# Altium PCB EPS_V2.PcbDoc (part 4 of 4)
Units mm, origin at the board's own origin, x right, y up, seen from the top; angles counter-clockwise.
Board outline 95.89 x 90.17 mm, 6 copper layers (Top Layer, GND1, PWR, Signal, GND2, Bottom Layer), stack 1.42 mm thick; 407 components, 277 nets, 1440 pads, 305 vias.
Unrouted connection lines stored in the file: 313.
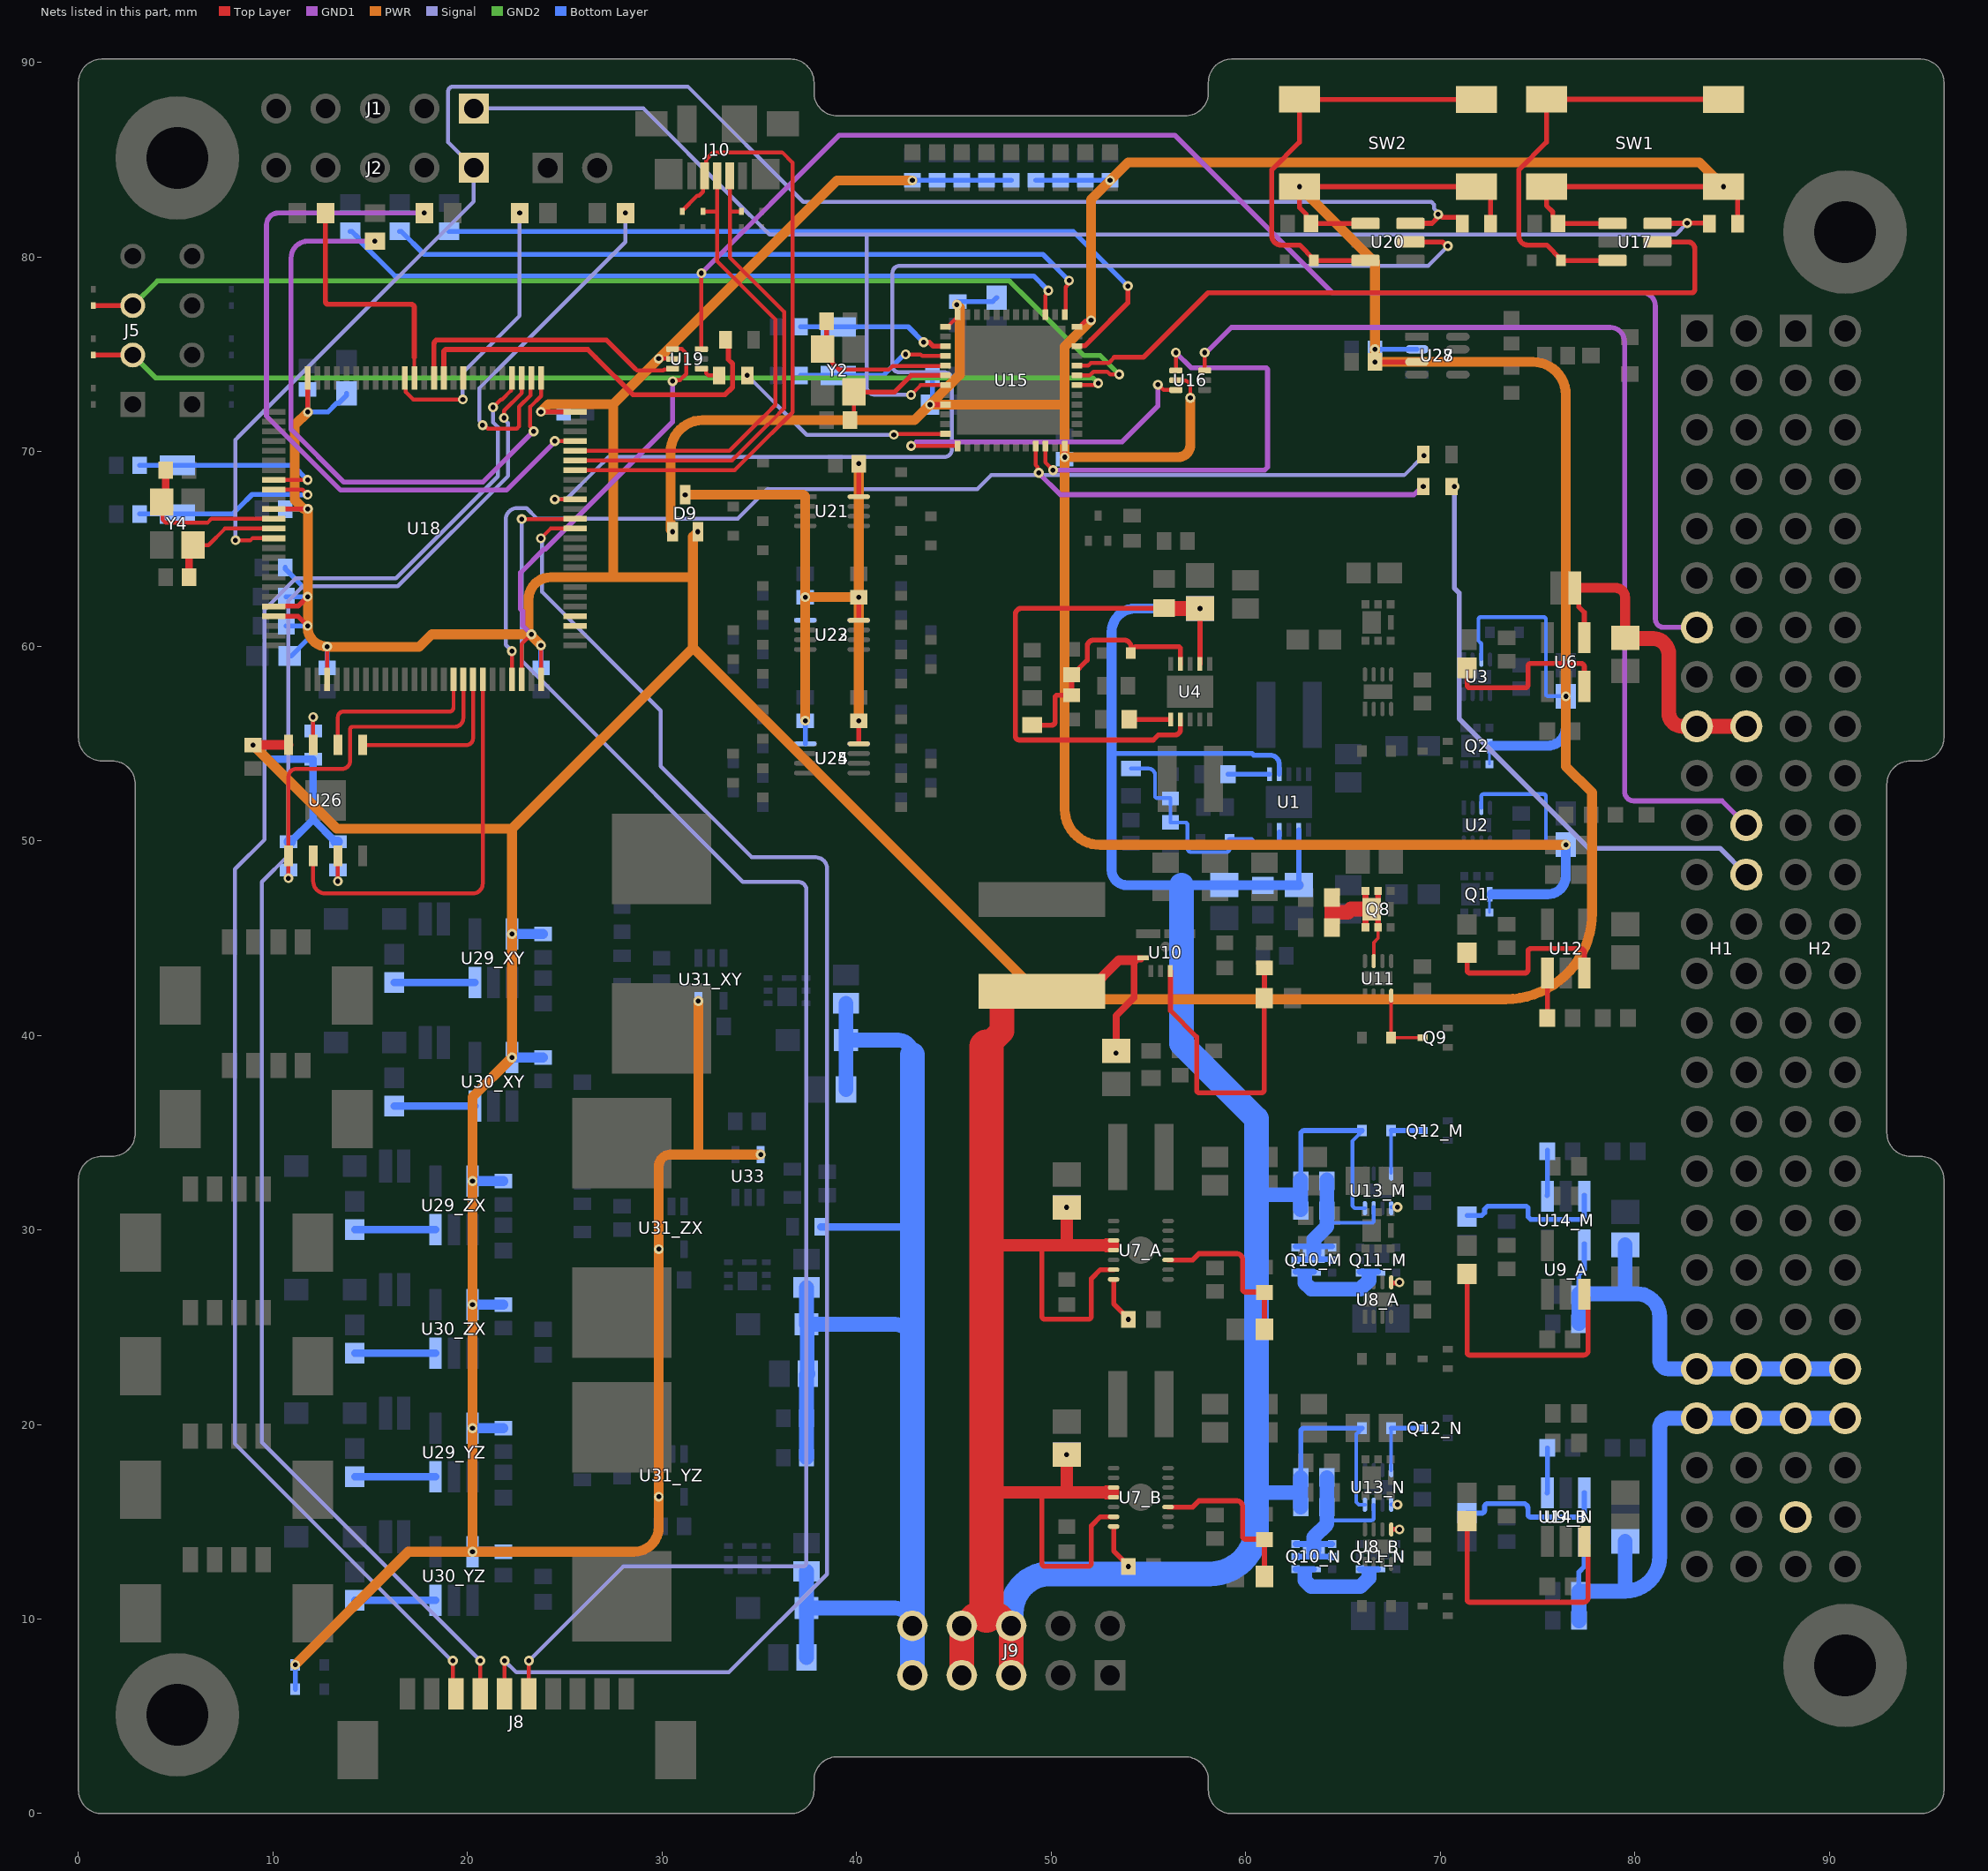
[diagram p8: the nets of this part, all layers, seen from the top]

## Via types
v1: diameter 0.508, hole 0.254, Top Layer to Signal, 73 vias
v2: diameter 0.508, hole 0.254, Top Layer to Bottom Layer, 52 vias
v3: diameter 0.508, hole 0.254, Top Layer to GND1, 48 vias
v4: diameter 0.5, hole 0.2, Top Layer to Bottom Layer, 38 vias
v5: diameter 0.508, hole 0.254, Signal to Bottom Layer, 27 vias
v6: diameter 0.508, hole 0.254, PWR to Bottom Layer, 18 vias
v7: diameter 0.508, hole 0.254, Top Layer to GND2, 12 vias
v8: diameter 0.508, hole 0.254, Top Layer to PWR, 11 vias
v9: diameter 0.508, hole 0.254, GND2 to Bottom Layer, 10 vias
v10: diameter 0.508, hole 0.254, GND1 to Bottom Layer, 9 vias
v11: diameter 0.483, hole 0.254, Top Layer to GND1, 5 vias
v12: diameter 0.483, hole 0.254, Top Layer to Bottom Layer, 2 vias

## Nets (pads, with @x,y where several pads share a name; then routed paths per layer and width w, separated by ;. In a path a pad name is that pad's centre, name@x,y a point inside that pad or via, vN(x,y) a via of type N, cw(c..) or ccw(c..) an arc to the next point about the centre after c; other vN are vias at no path point) (continued)
NetQ8_1: Q8.1 Q8.2 Q8.5 Q8.6 Q8.8 R41.2 R42.2 U11.7 | length 9.1
  Top Layer w0.178: Q8.8@66.477,46.482 Q8.8@66.802,46.157 ; U11.7@66.577,43.814 66.577,44.768 66.802,44.993 Q8.2@66.802,45.545
  Top Layer w0.203: Q8.8@66.477,46.482 Q8.8@66.802,46.807
  Top Layer w0.305: Q8.1@66.152,45.545 Q8.8@66.152,46.482 ; Q8.8@66.152,46.807 Q8.6@66.152,47.419 ; Q8.2@66.802,45.545 Q8.8@66.802,46.157 ; Q8.8@66.802,46.807 Q8.5@66.802,47.419
  Top Layer w0.762: R41.2@64.429,45.545 64.429,46.319 ; R42.2@64.429,46.994 64.429,46.319 ; Q8.8@66.477,46.482 65.413,46.482 65.249,46.319 64.429,46.319
NetQ9_3: Q9.3 R43.2 U11.4 | length 3.8
  Top Layer w0.178: U11.4@67.477,42.038 R43.2@67.477,39.878 Q9.3@69.088,39.878
NetQ10_M_1: Q10_M.1 Q10_M.2 Q10_M.5 Q10_M.6 Q10_M.8 R49_M.2 R50_M.2 U13_M.7 | length 12
  Bottom Layer w0.191: R50_M.2@64.175,31.038 64.337,30.876 64.337,30.389 64.363,30.362 66.465,30.362 ccw(c66.465,30.474) 66.577,30.474 U13_M.7@66.577,31.166
  Bottom Layer w0.305: Q10_M.5@62.562,28.498 63.175,28.498 Q10_M.8@63.5,28.823 ; Q10_M.6@62.562,29.148 63.175,29.148 Q10_M.8@63.5,28.823 ; Q10_M.2@64.437,28.498 63.825,28.498 Q10_M.8@63.5,28.823 ; Q10_M.1@64.437,29.148 63.825,29.148 Q10_M.8@63.5,28.823
  Bottom Layer w0.762: Q10_M.8@63.5,28.823 63.5,29.498 64.175,30.173 64.175,31.038 R49_M.2@64.175,32.562
NetQ10_M_4: Q10_M.4 Q10_M.7 Q11_M.4 Q11_M.7 | length 5.9
  Bottom Layer w0.305: Q10_M.4@62.562,27.848 Q10_M.7@63.5,27.848 ; Q11_M.4@65.864,27.848 66.333,27.848 Q11_M.7@66.802,27.848
  Bottom Layer w0.762: 63.036,27.287 63.369,26.954 65.887,26.954 66.333,27.4 66.333,27.609 ; 63.036,27.4 63.036,27.609
NetQ10_N_1: Q10_N.1 Q10_N.2 Q10_N.5 Q10_N.6 Q10_N.8 R49_N.2 R50_N.2 U13_N.7 | length 12
  Bottom Layer w0.191: R49_N.2@64.175,15.748 64.337,15.586 64.337,15.099 64.363,15.072 66.465,15.072 ccw(c66.465,15.184) 66.577,15.184 U13_N.7@66.577,15.876
  Bottom Layer w0.305: Q10_N.5@62.563,13.208 63.175,13.208 Q10_N.8@63.5,13.533 ; Q10_N.6@62.563,13.858 63.175,13.858 Q10_N.8@63.5,13.533 ; Q10_N.2@64.437,13.208 63.825,13.208 Q10_N.8@63.5,13.533 ; Q10_N.1@64.437,13.858 63.825,13.858 Q10_N.8@63.5,13.533
  Bottom Layer w0.762: Q10_N.8@63.5,13.533 63.5,14.208 64.175,14.883 R49_N.2@64.175,15.748 R50_N.2@64.175,17.272
NetQ10_N_4: Q10_N.4 Q10_N.7 Q11_N.4 Q11_N.7 | length 5.9
  Bottom Layer w0.305: Q10_N.4@62.563,12.558 Q10_N.7@63.5,12.558 ; Q11_N.4@65.865,12.558 66.333,12.558 Q11_N.7@66.802,12.558
  Bottom Layer w0.762: 63.036,11.997 63.369,11.664 65.887,11.664 66.333,12.11 66.333,12.319 ; 63.036,12.11 63.036,12.319
NetQ12_M_3: Q12_M.3 R51_M.2 U13_M.4 | length 3.8
  Bottom Layer w0.191: U13_M.4@67.477,32.942 R51_M.2@67.477,35.102
  Bottom Layer w0.254: R51_M.2@67.477,35.102 Q12_M.3@69.088,35.102
NetQ12_N_3: Q12_N.3 R51_N.2 U13_N.4 | length 3.8
  Bottom Layer w0.191: U13_N.4@67.477,17.652 R51_N.2@67.477,19.812
  Bottom Layer w0.254: R51_N.2@67.477,19.812 Q12_N.3@69.088,19.812
NetR2_2: R2.2 U1.1 | length 2.1
  Bottom Layer w0.254: R2.2@59.095,53.416 U1.1@61.23,53.416
NetR3_2: R3.2 R4.2 R5.2 R6.1 U1.9 | length 12.7
  Bottom Layer w0.191: R6.1@54.102,53.707 55,53.707 cw(c55,53.368) 55.339,53.368 55.339,52.301 ccw(c55.451,52.301) 55.451,52.189 R5.2@56.119,52.189 ; R5.2@56.134,52.166 R4.2@56.134,50.943 56.146,50.931 56.897,50.931 cw(c56.897,50.819) 57.009,50.819 57.009,49.61 ccw(c57.204,49.61) 57.204,49.415 59.008,49.415 ccw(c59.008,49.576) 59.17,49.576 R3.2@59.17,50.051
  Bottom Layer w0.254: R3.2@59.17,50.051 60.299,50.051 60.502,49.848 61.508,49.848 ccw(c61.508,50.064) 61.723,50.064 U1.9@61.723,50.439
NetR12_2: R12.2 U4.1 | length 2.1
  Top Layer w0.254: R12.2@54.015,56.233 U4.1@56.15,56.233
NetR13_2: R13.2 R14.2 R15.2 R16.1 U4.9 | length 12.8
  Top Layer w0.254: R16.1@49.022,55.942 50.046,55.942 ccw(c50.046,56.091) 50.195,56.091 50.195,57.334 cw(c50.344,57.334) 50.344,57.483 R15.2@51.054,57.483 R14.2@51.054,58.531 51.107,58.531 51.853,59.278 51.853,59.979 cw(c52.187,59.979) 52.187,60.313 53.49,60.313 53.739,60.313 cw(c53.739,59.949) 54.102,59.956 cw(c53.848,59.953) 54.102,59.953 54.102,59.948 54.097,59.817 R13.2@54.09,59.644 cw(c54.424,59.644) 54.424,59.979 56.499,59.979 cw(c56.499,59.83) 56.648,59.83 56.648,59.085 U4.9@56.65,59.083
NetR21_2: R21.2 U6.3 | length 9.6
  Top Layer w0.254: R21.2@71.374,58.906 71.374,58.006 ccw(c71.523,58.006) 71.523,57.858 74.355,57.858 ccw(c74.355,58.006) 74.504,58.006 74.504,58.959 cw(c74.653,58.959) 74.653,59.108 77.232,59.108 cw(c77.232,58.936) 77.404,58.936 U6.3@77.404,57.858 ; U6.3@77.404,57.932 U6.3@77.602,57.734
NetR26_A_1: R26_A.1 R27_A.2 U7_A.3 | length 8.8
  Top Layer w0.254: U7_A.3@56.01,28.456 57.276,28.456 57.595,28.775 59.547,28.775 cw(c59.547,28.483) 59.839,28.483 59.839,26.953 ccw(c59.988,26.953) 59.988,26.804 60.937,26.804 R26_A.1@60.96,26.781 R27_A.2@60.96,24.892
NetR26_B_1: R26_B.1 R27_B.2 U7_B.3 | length 8.8
  Top Layer w0.254: U7_B.3@56.01,15.756 57.276,15.756 57.595,16.075 59.547,16.075 cw(c59.547,15.783) 59.839,15.783 59.839,14.253 ccw(c59.988,14.253) 59.988,14.104 60.937,14.104 R26_B.1@60.96,14.081 R27_B.2@60.96,12.192
NetR32_A_2: R32_A.2 U9_A.3 | length 13.4
  Top Layer w0.254: R32_A.2@71.374,27.739 71.374,23.711 ccw(c71.523,23.711) 71.523,23.563 77.36,23.563 ccw(c77.36,23.804) 77.602,23.804 77.602,26.492 U9_A.3@77.404,26.69
NetR32_B_2: R32_B.2 U9_B.3 | length 13.4
  Top Layer w0.254: R32_B.2@71.374,15.039 71.374,11.011 ccw(c71.523,11.011) 71.523,10.863 77.36,10.863 ccw(c77.36,11.104) 77.602,11.104 77.602,13.792 U9_B.3@77.404,13.99
NetR38_2: R38.2 R39.2 U10.6 | length 16.6
  Top Layer w0.254: U10.6@56.13,43.3 56.13,41.267 57.478,39.919 57.478,37.191 ccw(c57.627,37.191) 57.627,37.042 60.8,37.042 ccw(c60.8,37.191) 60.949,37.191 R39.2@60.949,41.91 60.96,41.921 R38.2@60.96,43.459
NetR46_2: R46.2 U12.3 | length 9.3
  Top Layer w0.254: R46.2@71.374,44.249 71.374,43.349 ccw(c71.523,43.349) 71.523,43.2 74.355,43.2 ccw(c74.355,43.349) 74.504,43.349 74.504,44.301 cw(c74.653,44.301) 74.653,44.45 77.232,44.45 cw(c77.232,44.278) 77.404,44.278 U12.3@77.404,43.2
NetR47_1: R47.1 U12.1 | length 2.3
  Top Layer w0.254: R47.1@75.504,40.894 U12.1@75.504,43.2
NetR53_M_2: R53_M.2 U14_M.3 | length 8.1
  Bottom Layer w0.254: R53_M.2@71.374,30.731 72.128,30.731 72.277,30.88 72.277,31.054 72.446,31.223 74.415,31.223 74.504,31.134 74.504,30.679 74.653,30.53 77.255,30.53 77.404,30.679 U14_M.3@77.404,31.78
NetR53_N_2: R53_N.2 U14_N.3 | length 8.1
  Bottom Layer w0.254: R53_N.2@71.374,15.441 72.128,15.441 ccw(c72.128,15.59) 72.277,15.59 72.277,15.764 cw(c72.446,15.764) 72.446,15.933 74.256,15.933 cw(c74.256,15.685) 74.504,15.685 74.504,15.389 ccw(c74.653,15.389) 74.653,15.24 77.255,15.24 ccw(c77.255,15.389) 77.404,15.389 U14_N.3@77.404,16.49
NetR56_M_1: R56_M.1 U14_M.1 | length 2.3
  Bottom Layer w0.254: U14_M.1@75.486,31.762 75.504,31.78 R56_M.1@75.504,34.086
NetR56_N_1: R56_N.1 U14_N.1 | length 2.3
  Bottom Layer w0.254: U14_N.1@75.486,16.472 U14_N.1@75.504,16.49 R56_N.1@75.504,18.796
NetR60_2: R60.2 SW1.1 SW1.2 U17.3 | length 22.1
  Top Layer w0.254: U17.3@78.855,79.822 R60.2@76.21,79.822 76.21,79.872 75.469,80.613 74.5,80.613 cw(c74.5,81.071) 74.042,81.071 74.042,84.477 75.46,85.896 SW1.1@75.46,88.102 SW1.2@84.55,88.102
NetR67_2: R67.2 SW2.1 SW2.2 U20.3 | length 22.1
  Top Layer w0.254: U20.3@66.155,79.822 R67.2@63.51,79.822 63.51,79.872 62.769,80.613 61.815,80.613 cw(c61.815,81.086) 61.342,81.086 61.342,84.477 62.76,85.896 SW2.1@62.76,88.102 62.77,88.092 SW2.2@71.86,88.092
NetR111_2: R111.2 U26.3 | length 1.9
  Top Layer w0.203: v2(13.335,47.917) 13.335,49.173 U26.3@13.359,49.197
  Top Layer w0.254: U26.3@13.335,49.22 U26.3@13.359,49.197
  Bottom Layer w0.203: v2(13.335,47.917) R111.2@13.335,48.495
NetR112_2: R112.2 U26.7 | length 2.1
  Top Layer w0.203: U26.7@12.065,54.92 12.065,56.07 v2(12.065,56.355)
  Bottom Layer w0.203: R112.2@12.065,55.645 v2(12.065,56.355)
NetR117_XY_2: R117_XY.2 U29_XY.3 | length 4.2
  Bottom Layer w0.381: R117_XY.2@16.232,42.708 U29_XY.3@20.386,42.708
NetR117_YZ_2: R117_YZ.2 U29_YZ.3 | length 4.2
  Bottom Layer w0.381: R117_YZ.2@14.2,17.308 U29_YZ.3@18.354,17.308
NetR117_ZX_2: R117_ZX.2 U29_ZX.3 | length 4.2
  Bottom Layer w0.381: R117_ZX.2@14.2,30.008 U29_ZX.3@18.354,30.008
NetR120_XY_2: R120_XY.2 U30_XY.3 | length 4.2
  Bottom Layer w0.381: R120_XY.2@16.232,36.358 U30_XY.3@20.386,36.358
NetR120_YZ_2: R120_YZ.2 U30_YZ.3 | length 4.2
  Bottom Layer w0.381: R120_YZ.2@14.2,10.958 U30_YZ.3@18.354,10.958
NetR120_ZX_2: R120_ZX.2 U30_ZX.3 | length 4.2
  Bottom Layer w0.381: R120_ZX.2@14.2,23.658 U30_ZX.3@18.354,23.658
nRESET: J2.1 R68.2 U18.14 U20.6 | length 87.8
  Top Layer w0.203: v1(8.075,65.443) 8.848,65.443 8.945,65.54 U18.14@10.03,65.54
  Top Layer w0.254: U20.6@68.465,81.722 68.474,81.731 69.571,81.731 69.842,82.002 69.842,82.14 v1(69.891,82.189) 69.959,82.189 70.114,82.034 70.937,82.034 71.135,81.836 R68.2@71.135,81.711
  Signal w0.203: v1(8.075,65.443) 8.075,70.613 8.276,70.814 12.306,74.844 20.32,82.858 J2.1@20.32,84.582 19.002,85.9 19.002,88.499 cw(c19.261,88.499) 19.261,88.758 31.322,88.758 37.252,82.828 69.539,82.828 69.683,82.684 69.683,82.479 69.891,82.271 v1(69.891,82.189)
nRESET_SR: J1.1 R61.2 U15.7 U17.6 | length 80.3
  Top Layer w0.203: v1(42.795,72.91) 43.295,73.41 U15.7@44.57,73.41
  Top Layer w0.254: U17.6@81.165,81.722 81.174,81.731 82.678,81.731 v1(82.687,81.74) 83.807,81.74 R61.2@83.835,81.711
  Signal w0.203: J1.1@20.32,87.63 29.039,87.63 33.608,83.061 35.526,81.143 40.518,81.143 ; v1(42.795,72.91) 40.944,72.91 cw(c40.944,73.335) 40.518,73.335 40.518,81.143 ; v1(82.687,81.74) 82.103,81.155 40.531,81.155 40.518,81.143
OBC_2_EPS: H1.13 U19.3 | length 78.1
  Top Layer w0.203: U19.3@32.02,75.263 v3(32.02,79.166)
  GND1 w0.254: v3(32.02,79.166) 39.109,86.256 56.355,86.256 64.445,78.166 80.368,78.166 cw(c80.368,77.478) 81.056,77.478 81.056,61.401 ccw(c81.498,61.401) 81.498,60.96 H1.13@83.19,60.96
OBC_2_SR: H1.22 U16.3 | length 53.6
  Top Layer w0.203: U16.3@57.89,74.16 v3(57.89,75.085)
  GND1 w0.254: v3(57.89,75.085) 57.972,75.085 59.268,76.38 78.74,76.38 cw(c78.74,75.648) 79.472,75.648 79.472,52.53 ccw(c79.957,52.53) 79.957,52.045 84.485,52.045 H1.22@85.73,50.8
OTG_DM: D18.1 J10.2 U18.70 | length 25.6
  Top Layer w0.203: U18.70@25.53,69.54 33.592,69.54 35.42,71.369 35.428,71.369 36.038,71.979 36.038,71.986 36.269,72.217 36.269,77.188 33.48,79.977 33.48,82.335 ; J10.2@33.48,84.177 33.48,82.335 ; D18.1@34.066,82.335 33.48,82.335
OTG_DP: D19.1 J10.3 U18.71 | length 25
  Top Layer w0.203: U18.71@25.53,70.04 33.463,70.04 35.236,71.813 35.244,71.813 35.593,72.163 35.593,72.17 35.825,72.401 35.825,76.786 32.829,79.781 32.829,82.335 ; D19.1@32.101,82.335 32.829,82.335 ; J10.3@32.829,84.177 32.829,82.335
OTG_ID: D20.1 J10.4 U18.69 | length 33.1
  Top Layer w0.203: U18.69@25.53,69.04 26.584,69.04 33.728,69.04 35.612,70.924 35.619,70.924 36.714,72.018 36.714,84.838 36.172,85.38 32.632,85.38 32.262,85.009 J10.4@32.262,84.259 ; D20.1@31.034,82.377 31.801,83.144 31.897,83.144 32.097,83.345 32.097,84.086 J10.4@32.184,84.172
PC14: C68.1 U18.8 Y3.1 | length 10.7
  Top Layer w0.203: U18.8@10.03,68.54 v2(11.78,68.54)
  Bottom Layer w0.254: C68.1@3.14,69.29 Y3.1@5.08,69.29 8.276,69.29 11.03,69.29 v2(11.78,68.54)
PC14_SR: C53.1 U15.3 Y1.1 | length 7.9
  Top Layer w0.203: U15.3@44.565,75.415 U15.3@44.57,75.41
  Top Layer w0.254: v1(43.442,75.615) 43.74,75.615 43.939,75.415 U15.3@44.565,75.415
  Bottom Layer w0.254: C53.1@37.115,76.41 Y1.1@39.055,76.41 42.647,76.41 v1(43.442,75.615)
  other v5: 43.442,75.615
PC15: C69.1 U18.9 Y3.2 | length 10.9
  Top Layer w0.203: U18.9@10.03,68.04 11.519,68.04 v2(11.78,67.779)
  Bottom Layer w0.254: C69.1@3.14,66.79 Y3.2@5.08,66.79 7.924,66.79 8.276,67.142 8.929,67.795 11.131,67.795 11.147,67.779 v2(11.78,67.779)
PC15_SR: C54.1 U15.4 Y1.2 | length 7.9
  Top Layer w0.203: v1(42.519,74.993) 43.282,74.993 43.365,74.91 U15.4@44.57,74.91
  Bottom Layer w0.254: C54.1@37.115,73.91 Y1.2@39.055,73.91 41.365,73.91 42.448,74.993 v1(42.519,74.993)
  other v5: 42.519,74.993
PG_3V3_1_BUCK: R28_A.1 U7_A.14 | length 2.4
  Top Layer w0.254: U7_A.14@53.21,27.456 53.21,26.202 53.959,25.453 v1(53.959,25.4)
PG_3V3_1_OCP: U8_A.5 | length 0.4
  Top Layer w0.254: U8_A.5@67.518,27.269 67.867,27.269 v1(67.902,27.304)
PG_3V3_2_BUCK: R28_B.1 U7_B.14 | length 2.4
  Top Layer w0.254: U7_B.14@53.21,14.756 53.21,13.502 53.959,12.753 v1(53.959,12.7)
PG_3V3_2_OCP: U8_B.5 | length 0.4
  Top Layer w0.254: U8_B.5@67.507,14.595 67.527,14.615 67.891,14.615 v1(67.902,14.604)
PG_UNREG1: U13_M.5 | length 0.3
  Bottom Layer w0.203: U13_M.5@67.486,31.166 v10(67.802,31.166)
PG_UNREG2: U13_N.5 | length 0.3
  Bottom Layer w0.203: U13_N.5@67.486,15.876 v10(67.802,15.876)
PH0: C71.1 U18.12 Y4.3 | length 8.5
  Top Layer w0.203: Y4.3@4.28,67.39 4.316,67.354 4.316,66.504 4.486,66.334 6.627,66.334 6.833,66.54 U18.12@10.03,66.54
  Top Layer w0.381: Y4.3@4.28,67.39 4.48,67.59 C71.1@4.48,69.04
PH0_SR: C56.1 U15.5 Y2.3 | length 8.5
  Top Layer w0.203: 39.108,74.204 41.656,74.204 41.847,74.396 44.556,74.396 U15.5@44.57,74.41
  Top Layer w0.229: C56.1@38.455,76.7 38.455,75.46 Y2.3@38.255,75.26 38.741,74.774 38.741,74.571 39.108,74.204
PH1: C70.1 U18.13 Y4.1 | length 6.2
  Top Layer w0.203: Y4.1@5.88,65.19 6.681,65.19 7.531,66.04 U18.13@10.03,66.04
  Top Layer w0.381: C70.1@5.68,63.54 5.68,64.99 Y4.1@5.88,65.19
PH1_SR: C55.1 U15.6 Y2.1 | length 6.6
  Top Layer w0.203: C55.1@39.655,71.62 39.855,71.82 Y2.1@39.855,73.06
  Top Layer w0.254: Y2.1@39.855,73.06 41.954,73.06 42.804,73.91 U15.6@44.57,73.91
QUADSPI_BK1_IO0: U18.43 U26.5 | length 8.9
  Top Layer w0.203: U26.5@14.605,54.92 19.953,54.92 ccw(c19.953,55.247) 20.28,55.247 U18.43@20.28,58.29
QUADSPI_BK1_IO1: U18.44 U26.2 | length 21.2
  Top Layer w0.203: U26.2@12.065,49.22 12.065,47.917 ccw(c12.687,47.917) 12.687,47.295 20.28,47.295 ccw(c20.28,47.795) 20.78,47.795 U18.44@20.78,58.29
QUADSPI_BK1_NCS: R127.2 U18.42 U26.1 | length 19
  Top Layer w0.203: v2(10.795,48.07) U26.1@10.795,49.22 10.795,53.289 cw(c11.2,53.289) 11.2,53.694 13.563,53.694 ccw(c13.563,54.1) 13.968,54.1 13.968,55.736 cw(c14.087,55.736) 14.087,55.855 19.341,55.855 ccw(c19.341,56.294) 19.78,56.294 U18.42@19.78,58.29
  Bottom Layer w0.203: v2(10.795,48.07) R127.2@10.795,48.495
QUADSPI_CLK: U18.41 U26.6 | length 9.1
  Top Layer w0.203: U26.6@13.335,54.92 13.335,56.351 cw(c13.619,56.351) 13.619,56.636 19.064,56.636 ccw(c19.064,56.852) 19.28,56.852 U18.41@19.28,58.29
RBF_OPEN: H2.49
SPI2_MISO: U18.53
SPI2_MOSI: U18.54
SPI2_SCK: U18.84
SR_2_EPS: R59.1 U19.1 | length 1.2
  Top Layer w0.203: U19.1@32.02,74.263 32.205,74.263 32.253,74.215 32.253,74.03 32.373,73.91 R59.1@32.93,73.91
SR_2_OBC: H1.24 R58.1 | length 30.1
  Signal w0.254: v1(70.725,68.199) 70.725,62.98 70.974,62.731 70.974,56.265 77.632,49.607 84.383,49.607 H1.24@85.73,48.26
SWCLK: R70.1 U18.76 | length 31.3
  Top Layer w0.203: v3(23.398,71.04) 23.398,71.122 23.223,71.297 23.223,72.297 23.78,72.854 U18.76@23.78,73.79
  GND1 w0.254: v3(15.24,80.809) 11.791,80.809 ccw(c11.791,79.945) 10.927,79.945 10.927,71.139 13.644,68.422 20.78,68.422 v3(23.398,71.04)
SWCLK_SR: R63.1 U15.37 | length 37.3
  Top Layer w0.203: U15.37@50.695,77.035 50.74,77.08 50.74,78.459 50.918,78.637 v1(50.918,78.784)
  Bottom Layer w0.254: R63.1@16.51,81.317 16.585,81.317 17.773,80.129 49.573,80.129 v1(50.918,78.784)
  other v5: 50.918,78.784
SWDIO: R69.1 U18.72 | length 36.8
  Top Layer w0.203: v3(24.488,70.54) U18.72@25.53,70.54
  GND1 w0.254: v3(17.78,82.259) 10.275,82.259 ccw(c10.275,81.651) 9.667,81.651 9.667,71.824 13.475,68.016 21.993,68.016 24.488,70.511 v3(24.488,70.54)
SWDIO_SR: R62.1 U15.34 | length 40.5
  Top Layer w0.254: U15.34@51.32,75.41 51.34,75.43 51.732,75.43 52.049,75.747 53.94,77.638 v1(53.94,78.504)
  Bottom Layer w0.254: R62.1@19.05,81.317 51.127,81.317 v1(53.94,78.504)
  other v5: 53.94,78.504
SWO: R71.1 U18.89 | length 12.8
  Top Layer w0.203: 17.262,74.844 17.262,73.808 U18.89@17.28,73.79
  Top Layer w0.254: R71.1@12.7,82.184 12.7,77.709 ccw(c12.849,77.709) 12.849,77.56 17.113,77.56 cw(c17.113,77.411) 17.262,77.411 17.262,74.844
SWO_SR: R64.1 U15.39 | length 38.4
  Top Layer w0.203: U15.39@49.662,77.094 49.695,77.127 49.695,78.028 49.855,78.188 v5(49.855,78.27)
  Bottom Layer w0.254: R64.1@13.97,81.317 14.045,81.317 14.393,80.969 14.393,80.894 16.263,79.024 49.101,79.024 v5(49.855,78.27)
  other v1: 49.855,78.27
TDI: R73.1 U18.77 | length 18.9
  Top Layer w0.203: v1(20.773,71.352) 20.855,71.352 21.035,71.172 22.528,71.172 22.653,71.297 22.653,72.301 23.237,72.885 23.237,73.755 23.272,73.79 U18.77@23.28,73.79
  Signal w0.203: v1(20.773,71.352) 20.773,71.435 20.617,71.59 20.617,73.267 22.194,74.844 28.12,80.77 28.12,82.235 v1@28.156,82.271
  other v1: 28.12,82.259
TIM3_CH1: J8.5 U18.63 | length 83.9
  Top Layer w0.203: J8.5@21.905,6.157 v1(21.905,7.859) ; v1(23.769,65.54) 24.269,66.04 U18.63@25.53,66.04
  Signal w0.203: v1(21.905,7.859) 22.502,7.262 33.431,7.262 38.476,12.306 38.476,48.572 ccw(c37.902,48.572) 37.902,49.146 34.607,49.146 29.931,53.822 29.931,56.688 23.828,62.791 23.828,65.482 v1(23.769,65.54)
TIM3_CH2: J8.6 U18.64 | length 82.3
  Top Layer w0.203: v1(22.78,66.53) 22.785,66.535 25.525,66.535 U18.64@25.53,66.54 ; J8.6@23.155,6.157 v1(23.155,7.859)
  Signal w0.203: v1(22.78,66.53) 22.78,59.963 22.786,59.956 22.786,59.535 22.78,59.529 22.78,59.259 25.153,56.886 34.15,47.889 36.983,47.889 cw(c36.983,47.45) 37.422,47.45 37.422,12.819 37.303,12.7 27.996,12.7 v1(23.155,7.859)
TRST: R72.1 U18.90 | length 14.6
  Top Layer w0.203: U18.90@16.78,73.79 16.825,73.745 16.825,73.064 17.214,72.675 v1(19.754,72.675)
  Signal w0.203: v1(19.754,72.675) 19.754,74.049 20.549,74.844 22.68,76.975 v1(22.68,82.259)
UART4_RX: J8.3 U18.79 | length 81.5
  Top Layer w0.203: v1(19.248,7.859) 19.248,6.314 J8.3@19.405,6.157 ; v1(21.31,72.274) 21.709,72.673 21.773,72.673 22.232,73.132 22.232,73.742 U18.79@22.28,73.79
  Signal w0.203: v1(19.248,7.859) 19.187,7.859 8.042,19.004 8.042,48.534 9.572,50.065 9.572,57.236 9.572,61.882 11.171,63.481 16.321,63.481 21.557,68.717 21.557,71.254 21.31,71.501 v1(21.31,72.274)
UART4_TX: J8.4 U18.78 | length 80.8
  Top Layer w0.203: J8.4@20.655,6.157 v1(20.655,7.859) ; v1(21.871,71.731) 21.881,71.741 21.881,72.104 22.78,73.003 U18.78@22.78,73.79
  Signal w0.203: v1(20.655,7.859) 9.431,19.083 9.431,47.889 10.795,49.253 10.795,57.236 10.795,62.327 11.542,63.075 16.417,63.075 22.089,68.746 22.089,71.297 22.078,71.308 22.078,71.459 21.871,71.667 v1(21.871,71.731)
UNREG_1: C47_M.2 H1.43 H1.44 H2.43 H2.44 R54_M.2 R55_M.2 U14_M.4 | length 23.3
  Bottom Layer w0.254: R55_M.2@77.129,26.72 77.129,27.705 77.404,27.98 U14_M.4@77.404,29.28
  Bottom Layer w0.762: R54_M.2@77.129,25.196 R55_M.2@77.129,26.72 ; R55_M.2@77.404,26.72 79.502,26.72 ; C47_M.2@79.502,29.23 79.502,26.72 ; H2.44@90.81,22.86 H2.43@88.27,22.86 H1.44@85.73,22.86 H1.43@83.19,22.86 81.726,22.86 cw(c81.726,23.306) 81.28,23.306 81.28,25.532 ccw(c80.092,25.532) 80.092,26.72 79.502,26.72
UNREG_2: C47_N.2 H1.45 H1.46 H2.45 H2.46 R54_N.2 R55_N.2 U14_N.4 | length 28.3
  Bottom Layer w0.254: R55_N.2@77.129,11.43 77.129,12.415 77.404,12.69 U14_N.4@77.404,13.99
  Bottom Layer w0.762: R54_N.2@77.129,9.906 R55_N.2@77.129,11.43 79.502,11.43 ; C47_N.2@79.502,13.99 79.502,11.43 ; H2.46@90.81,20.32 H2.45@88.27,20.32 H1.46@85.73,20.32 H1.45@83.19,20.32 81.788,20.32 ccw(c81.788,19.812) 81.28,19.812 81.28,13.208 cw(c79.502,13.208) 79.502,11.43
USART1_RX_SR: D23.1 J5.3 U15.31 | length 57.6
  Top Layer w0.203: D23.1@0.758,77.5 0.758,77.492 0.759,77.49 D23.1@0.77,77.5 ; U15.31@51.32,73.91 51.975,73.91 52.169,74.104 52.887,74.104 53.032,73.959 v7(53.496,73.959)
  Top Layer w0.254: D23.1@0.77,77.5 2.802,77.5 J5.3@2.822,77.48
  GND2 w0.254: J5.3@2.79,77.5 4.057,78.768 47.86,78.768 48.864,77.764 51.695,74.933 52.049,74.933 52.522,74.933 v7(53.496,73.959)
USART1_TX_SR: D22.1 J5.2 U15.30 | length 53.4
  Top Layer w0.203: U15.30@51.32,73.41 52.237,73.41 52.333,73.507 v7(52.416,73.507)
  Top Layer w0.254: D22.1@0.758,74.96 2.731,74.96 J5.2@2.791,74.9
  GND2 w0.254: J5.2@2.79,74.96 3.96,73.79 8.276,73.79 26.584,73.79 43.066,73.79 52.049,73.79 52.133,73.79 v7(52.416,73.507)
USART2_RX: U18.87 U19.6 | length 14.8
  Top Layer w0.203: 28.607,74.263 28.693,74.177 30.073,74.177 30.111,74.215 30.491,74.215 U19.6@30.539,74.263
  Top Layer w0.254: U18.87@18.28,73.79 18.28,75.54 cw(c18.48,75.54) 18.48,75.74 27.129,75.74 28.607,74.263
USART2_RX_SR: U15.13 U16.6 | length 18.1
  Top Layer w0.203: v3(42.804,70.285) U15.13@45.195,70.285 ; v3(55.482,73.434) 55.503,73.434 55.77,73.167 56.403,73.167 U16.6@56.41,73.16
  GND1 w0.254: v3(42.804,70.285) 42.867,70.285 43.066,70.484 43.079,70.497 52.049,70.497 53.649,70.497 55.482,72.33 v3(55.482,73.434)
USART2_TX: R65.2 U18.86 | length 20
  Top Layer w0.203: 26.578,74.844 26.584,74.838
  Top Layer w0.254: U18.86@18.78,73.79 18.78,75.126 cw(c18.899,75.126) 18.899,75.245 26.177,75.245 26.578,74.844 ; 26.584,74.838 28.502,72.92 33.236,72.92 33.623,73.307 33.623,74.513 33.408,74.728 33.408,75.587 R65.2@33.255,75.74
USART2_TX_SR: R59.2 U15.12 | length 11.5
  Top Layer w0.203: v1(41.913,70.861) 41.962,70.91 U15.12@44.57,70.91
  Signal w0.203: v1(34.38,73.91) 37.429,70.861 v1(41.913,70.861)
USART3_RX: U18.48 U19.4 | length 21.5
  Top Layer w0.203: U18.48@22.78,58.29 22.78,59.529 22.786,59.535 22.786,60.116 v3(23.28,60.609) ; U19.4@30.748,75.274 31.005,75.274 31.243,75.037 31.243,73.989 30.929,73.676 v3@30.777,73.676
  Top Layer w0.254: v3(30.539,73.618) 30.588,73.666 30.768,73.666 v3@30.777,73.676
  GND1 w0.254: v3(23.28,60.609) 22.839,61.051 22.839,61.79 22.721,61.908 22.721,63.771 23.931,64.981 24.001,64.981 30.539,71.52 v3(30.539,73.618)
USART3_RX_SR: U15.22 U16.4 | length 23.5
  Top Layer w0.203: U15.22@49.695,70.285 49.695,69.445 v3(50.095,69.045) ; U16.4@56.41,74.16 v3(56.41,75.085)
  GND1 w0.254: v3(50.095,69.045) 60.974,69.045 61.123,69.194 61.123,74.189 ccw(c61.004,74.189) 61.004,74.308 57.187,74.308 v3(56.41,75.085)
USART3_TX: R66.2 U18.47 | length 57.3
  Top Layer w0.203: U18.47@22.253,58.379 22.279,58.406 v1(22.278,59.746)
  Signal w0.203: v1(22.278,59.746) 21.963,60.061 21.963,66.504 cw(c22.549,66.504) 22.549,67.089 23.031,67.089 23.564,66.555 33.898,66.555 35.42,68.077 46.21,68.077 46.914,68.781 68.149,68.781 v1(69.151,69.784)
USART3_TX_SR: R58.2 U15.21 | length 21.9
  Top Layer w0.203: U15.21@49.195,70.285 49.195,69.316 49.3,69.211 49.3,68.966 v3(49.358,68.908)
  GND1 w0.254: v3(49.358,68.908) 49.358,68.902 50.475,67.785 68.642,67.785 69.056,68.199 v3(69.125,68.199)
VBUS: C1.2 C2.2 C12.2 C13.2 C23_A.2 C23_B.2 C24_A.2 C24_B.2 C34.2 C35.2 J9.5 J9.6 J9.7 J9.8 L4.1 R1.2 R10.2 R49_M.1 R49_N.1 R50_M.1 R50_N.1 R51_M.1 R51_N.1 U1.2 U1.7 U4.2 U4.7 U7_A.10 U7_A.11 U7_A.13 U7_B.10 U7_B.11 U7_B.13 U10.3 U13_M.8 U13_N.8 | length 243.6
  Top Layer w0.229: U7_B.11@53.21,16.256 52.81,16.256 52.81,16.506 52.81,16.756 U7_B.10@53.21,16.756 ; U7_A.11@53.21,28.956 52.81,28.956 52.81,29.206 52.81,29.456 U7_A.10@53.21,29.456
  Top Layer w0.254: 49.522,16.506 49.522,12.857 ccw(c49.671,12.857) 49.671,12.708 51.914,12.708 ccw(c51.914,12.857) 52.062,12.857 52.062,14.789 52.529,15.256 U7_B.13@53.21,15.256 ; 49.522,29.206 49.522,25.557 ccw(c49.671,25.557) 49.671,25.408 51.914,25.408 ccw(c51.914,25.557) 52.062,25.557 52.062,27.489 52.529,27.956 U7_A.13@53.21,27.956 ; R10.2@55.807,61.95 48.483,61.95 ccw(c48.483,61.621) 48.154,61.621 48.154,55.389 ccw(c48.369,55.389) 48.369,55.174 55.247,55.174 55.504,55.431 56.344,55.431 ccw(c56.344,55.735) 56.648,55.735 56.648,56.231 U4.2@56.65,56.233 ; U4.7@57.65,59.083 v2(57.65,61.932)
  Top Layer w0.356: C34.2@53.34,39.204 53.34,41.007 54.26,41.927 54.26,43.859 ; 54.26,43.905 54.26,43.859 ; U10.3@54.608,43.922 54.323,43.922 54.26,43.859
  Top Layer w0.508: L4.1@51.882,42.26 53.481,43.859 54.26,43.859
  Top Layer w0.635: 46.675,29.21 46.679,29.206 49.522,29.206 50.8,29.206 ; 46.679,16.506 49.522,16.506 50.8,16.506 ; v2(50.8,18.456) 50.8,16.506 ; v2(50.8,31.156) 50.8,29.206 ; 53.2,16.506 52.81,16.506 50.8,16.506 ; 53.2,29.206 52.81,29.206 50.8,29.206
  Top Layer w0.762: L4.1@49.522,42.26 L4.1@51.882,42.26 ; R10.2@55.825,61.932 v2(57.65,61.932)
  Top Layer w1.27: J9.7@45.405,7.112 J9.8@45.405,9.652 45.486,9.652 46.018,10.184 46.679,10.184 47.332,10.184 47.864,9.652 J9.6@47.945,9.652 ; 46.675,39.413 47.471,40.209 47.471,42.005 47.726,42.26 L4.1@49.522,42.26 ; J9.5@47.945,7.112 J9.6@47.945,9.652 J9.6@47.946,9.689
  Top Layer w1.778: 46.675,29.21 46.675,39.413 ; 46.679,10.184 46.679,16.506 46.679,29.206
  Bottom Layer w0.191: R51_N.1@65.977,19.812 65.977,19.762 65.822,19.607 65.791,19.607 65.679,19.496 65.679,16.01 65.814,15.876 U13_N.8@66.127,15.876 ; R51_M.1@65.977,35.052 65.483,34.558 65.483,31.235 65.602,31.116 U13_M.8@66.127,31.116
  Bottom Layer w0.203: R51_M.1@65.977,35.052 R51_M.1@65.977,35.102
  Bottom Layer w0.254: 53.107,54.476 60.327,54.476 60.402,54.4 61.242,54.4 cw(c61.242,53.914) 61.728,53.914 61.728,53.418 U1.2@61.73,53.416 ; C1.2@62.73,47.717 U1.7@62.73,50.566 ; R50_N.1@62.825,17.272 62.825,19.619 cw(c63.018,19.619) 63.018,19.812 R51_N.1@65.977,19.812 ; R49_M.1@62.825,32.562 62.825,34.909 cw(c63.018,34.909) 63.018,35.102 R51_M.1@65.977,35.102
  Bottom Layer w0.508: v2(57.65,61.932) 54.319,61.932 ccw(c54.319,60.72) 53.107,60.72 53.107,54.476 53.107,48.491 ccw(c53.88,48.491) 53.88,47.717 56.705,47.717 C2.2@58.895,47.717 C1.2@62.73,47.717
  Bottom Layer w0.762: 60.56,16.472 60.586,16.498 62.825,16.498 ; 60.56,31.667 60.693,31.8 62.825,31.8 ; R49_N.1@62.825,15.748 62.825,16.498 ; R50_N.1@62.825,17.272 62.825,16.498 ; R50_M.1@62.825,31.038 62.825,31.8 ; R49_M.1@62.825,32.562 62.825,31.8
  Bottom Layer w1.27: J9.7@45.405,7.112 J9.8@45.405,9.652 ; J9.5@47.945,7.112 J9.6@47.945,9.652 47.945,10.312 cw(c49.952,10.312) 49.952,12.319 58.147,12.319 ccw(c58.147,14.732) 60.56,14.732 60.56,16.472 60.56,31.667 60.56,35.706 56.705,39.561 56.705,47.717
  other v2: 53.34,39.079
VCC_OR: C72.2 C73.2 C74.2 C75.2 C77.2 D9.3 U21.8 U22.8 U23.8 U24.8 U25.8 | length 40.1
  Top Layer w0.254: U25.8@40.111,54.979 v8(40.111,56.169) ; U23.8@40.111,61.329 v8(40.111,62.519) ; U21.8@40.111,67.679 v8(40.111,69.377)
  PWR w0.508: v8(31.187,67.779) 37.21,67.779 cw(c37.21,67.63) 37.359,67.63 v6(37.359,62.519) ; v6(37.359,56.169) v6(37.359,62.519) ; v8(40.111,56.169) v8(40.111,62.519) ; v8(40.111,69.377) v8(40.111,62.519) ; v6(37.359,62.519) v8(40.111,62.519)
  Bottom Layer w0.254: U24.8@37.359,54.979 v6(37.359,56.169) ; U22.8@37.359,61.329 v6(37.359,62.519)
VDD_EPS: C11.1 C57.1 C58.1 C59.1 C60.1 C61.1 C62.1 C63.1 C64.1 C65.1 C66.1 C67.1 C78.1 C79.1 C81.1 C83_XY.1 C83_YZ.1 C83_ZX.1 C85_XY.1 C85_YZ.1 C85_ZX.1 D9.2 Q2.4 Q2.7 R68.1 R74.1 R75.1 R76.1 R77.1 R78.1 R111.1 R112.1 R127.1 R128.2 R129.2 SW2.3 SW2.4 U3.3 U18.11 U18.21 U18.22 U18.28 U18.50 U18.75 U18.100 U19.5 U20.1 U26.8 U27.3 U28.3 U29_XY.5 U29_YZ.5 U29_ZX.5 U30_XY.5 U30_YZ.5 U30_ZX.5 U31_XY.5 U31_YZ.5 U31_ZX.5 U33.5 | length 393.3
  Top Layer w0.203: U18.28@12.78,58.29 v2(12.78,59.975) ; U18.50@23.775,58.295 v2@23.775,60.035 ; v8(29.826,74.774) 29.831,74.768 30.534,74.768 U19.5@30.539,74.763
  Top Layer w0.254: U18.22@10.03,61.54 11.28,61.54 v2(11.778,61.042) ; U18.21@10.03,62.04 10.038,62.048 11.288,62.048 v2(11.78,62.54) ; U18.11@10.03,67.04 10.035,67.045 11.785,67.045 v2(11.791,67.051) ; U18.100@11.78,73.79 11.785,73.785 v2@11.785,72.035 ; v2(23.769,60.04) v2@23.775,60.035 ; v2(23.769,72.04) U18.75@25.53,72.04 ; U18.50@23.775,58.295 U18.50@23.78,58.29 ; U20.1@66.155,81.722 C67.1@63.36,81.722 63.112,81.97 63.112,82.189 62.76,82.541 v8(62.76,83.612) SW2.4@71.86,83.612 72.022,83.612 72.585,83.049 R68.1@72.585,81.711 ; C81.1@66.561,74.605 U28.3@68.8,74.605
  Top Layer w0.508: v2(8.972,54.92) U26.8@10.795,54.92
  PWR w0.508: v2(8.972,54.92) 13.283,50.61 22.286,50.61 ; v6(11.143,7.645) 16.956,13.458 v6(20.254,13.458) ; v2(11.778,61.042) 11.778,60.977 ccw(c12.78,60.977) 11.779,60.943 ccw(c12.78,60.977) v2(12.78,59.975) 12.802,59.954 17.511,59.954 18.167,60.609 23.131,60.609 ; v2(11.78,62.54) 11.797,62.557 11.797,67.044 v2(11.791,67.051) 11.575,67.051 11.12,67.505 11.12,71.359 v2(11.791,72.029) ; v2@11.791,60.944 v2@11.791,62.54 ; v2(23.769,60.04) 23.131,60.678 23.131,62.391 cw(c24.279,62.391) 24.279,63.539 27.483,63.539 ; v2(23.769,72.04) 24.16,72.431 27.483,72.431 ; v8(31.837,65.879) 31.586,65.628 31.586,63.539 ; v6(31.862,41.764) 31.862,33.866 ; v6(35.067,33.866) 31.862,33.866 ; v6(42.865,83.932) 38.984,83.932 v8(29.826,74.774) 27.483,72.431 ; v8(62.76,83.612) 66.64,79.732 v6(66.64,75.255) v8(66.64,74.605) 74.763,74.605 cw(c74.763,72.914) 76.454,72.914 v6(76.454,57.419) 76.454,53.821 77.804,52.471 77.804,46.296 cw(c73.362,46.296) 73.362,41.854 49.64,41.854 31.586,59.909 ; v6(20.254,13.458) 28.564,13.458 ccw(c28.564,14.724) 29.83,14.724 v6(29.83,16.284) v6(29.83,29.008) 29.83,33.274 cw(c30.422,33.274) 30.422,33.866 31.862,33.866 ; v6(20.254,13.458) v6(20.254,19.808) v6(20.254,26.158) v6(20.254,32.508) 20.254,36.826 v6(22.286,38.858) v6(22.286,45.208) 22.286,50.61 ; 22.286,50.61 31.586,59.909 ; 27.483,63.539 31.586,63.539 ; 27.483,63.539 27.483,72.431 ; 31.586,59.909 31.586,63.539
  Bottom Layer w0.127: Q2.4@72.532,53.941 Q2.7@72.532,54.864 Q2.7@72.532,54.878
  Bottom Layer w0.191: U3.3@72.107,59.322 72.109,59.324 72.109,60.128 71.966,60.271 71.966,61.379 cw(c72.078,61.379) 72.078,61.491 75.313,61.491 cw(c75.313,61.379) 75.425,61.379 75.425,57.544 ccw(c75.536,57.544) 75.536,57.432 C11.1@76.454,57.432
  Bottom Layer w0.254: C63.1@10.63,64.04 10.63,63.965 11.736,62.859 11.736,62.584 v2(11.78,62.54) C64.1@10.68,62.54 ; C61.1@10.63,67.04 10.641,67.051 v2(11.791,67.051) ; C65.1@10.68,61.04 C65.1@10.68,61.04 v2(11.778,61.042) ; C66.1@10.857,59.49 10.93,59.49 11.78,60.34 11.78,61.038 v2(11.778,61.042) ; R128.2@11.143,6.395 v6(11.143,7.645) ; C57.1@11.78,73.19 11.791,73.179 v2(11.791,72.029) 12.82,72.029 13.279,72.488 13.378,72.488 13.78,72.89 C62.1@13.78,72.989 ; C60.1@12.78,58.89 v2(12.78,59.975) ; v2(23.769,60.04) 23.769,58.901 C59.1@23.78,58.89 ; v2(23.769,72.04) C58.1@24.93,72.04 ; v6(42.865,83.932) R75.1@44.135,83.932 R76.1@45.405,83.932 R77.1@46.675,83.932 R78.1@47.945,83.932 ; C79.1@66.609,75.255 U27.3@68.8,75.255
  Bottom Layer w0.381: v2(8.972,54.92) 9.697,54.195 R112.1@12.065,54.195 12.065,51.09 ; R127.1@10.92,49.945 12.065,51.09 ; R111.1@13.21,49.945 12.065,51.09
  Bottom Layer w0.508: R127.1@10.795,49.945 R127.1@10.92,49.945 ; R111.1@13.21,49.945 R111.1@13.335,49.945 ; v6(20.254,13.458) C85_YZ.1@21.844,13.458 ; v6(20.254,19.808) C83_YZ.1@21.844,19.808 ; v6(20.254,26.158) C85_ZX.1@21.844,26.158 ; v6(20.254,32.508) C83_ZX.1@21.844,32.508 ; v6(22.286,38.858) C85_XY.1@23.876,38.858 ; v6(22.286,45.208) C83_XY.1@23.876,45.208 ; Q2.7@72.644,54.878 75.517,54.878 ccw(c75.517,55.816) 76.454,55.816 v6(76.454,57.419) ; v6(76.454,57.419) C11.1@76.454,57.432
VDD_MCU: C22.2 H1.17 H1.18 R22.2 U6.4 | length 17.7
  Top Layer w0.254: R22.2@77.129,62.992 77.129,62.007 77.404,61.732 U6.4@77.404,60.432
  Top Layer w0.508: R22.2@76.917,62.992 79.002,62.992 cw(c79.002,62.492) 79.502,62.492 C22.2@79.502,60.432
  Top Layer w0.762: C22.2@79.502,60.432 79.799,60.432 79.846,60.385 80.937,60.385 cw(c80.937,59.58) 81.743,59.58 81.743,56.585 ccw(c82.447,56.585) 82.447,55.88 H1.17@83.19,55.88 ; H1.17@83.213,55.88 H1.18@85.73,55.88
VDD_SR: C9.1 C48.1 C49.1 C50.1 C51.2 C52.1 C98.1 D9.1 Q1.4 Q1.7 R61.1 R117.1 R118.1 R119.1 R120.1 SW1.3 SW1.4 U2.3 U15.1 U15.9 U15.24 U15.36 U15.48 U16.5 U17.1 | length 176.7
  Top Layer w0.191: U15.1@44.57,76.41 44.695,76.41 44.75,76.465 44.75,76.491 45.114,76.855 45.14,76.855 45.195,76.91 U15.48@45.195,77.035 45.173,77.057 45.173,77.522 v2(45.152,77.543) ; U15.36@51.32,76.41 51.445,76.41 51.766,76.731 52.033,76.731 v2(52.049,76.746) ; U16.5@56.41,73.66 56.423,73.647 56.855,73.647 cw(c56.855,73.352) 57.15,73.352 v8(57.15,72.759)
  Top Layer w0.254: v2(43.77,72.41) U15.9@44.57,72.41 ; v2(50.695,69.71) U15.24@50.695,70.285 ; U17.1@78.855,81.722 76.135,81.722 75.78,82.077 75.78,82.316 75.46,82.636 SW1.3@75.46,83.612 v8(84.56,83.612) ; SW1.4@84.722,83.612 85.285,83.049 R61.1@85.285,81.711
  PWR w0.508: v8(30.537,65.879) 30.438,65.978 30.438,69.971 cw(c32.076,69.971) 32.076,71.61 42.97,71.61 v2(43.77,72.41) ; v2(45.152,77.543) 45.16,77.543 45.299,77.405 45.299,73.939 v2(43.77,72.41) ; v8(57.15,72.759) 57.15,70.332 cw(c56.528,70.332) 56.528,69.71 v2(50.695,69.71) ; v6(76.454,49.784) 52.525,49.784 cw(c52.525,51.614) 50.695,51.614 v2(50.695,69.71) ; v8(84.56,83.612) 83.313,84.859 53.952,84.859 v6(53.025,83.932) 52.049,82.956 v2(52.049,76.746) 50.695,75.392 50.695,72.41 ; v2(43.77,72.41) 50.695,72.41 ; v2(50.695,69.71) 50.695,72.41
  Bottom Layer w0.127: Q1.4@72.532,46.307 Q1.7@72.532,47.244
  Bottom Layer w0.191: U2.3@72.107,51.688 U2.3@72.107,51.688 72.109,52.281 cw(c72.221,52.281) 72.221,52.393 75.313,52.393 cw(c75.313,52.281) 75.425,52.281 75.425,49.91 ccw(c75.536,49.91) 75.536,49.798 C9.1@76.454,49.798
  Bottom Layer w0.254: v2(43.77,72.41) 43.895,72.535 C98.1@43.895,73.91 ; v2(45.152,77.543) 45.195,77.586 C49.1@45.195,77.71 46.994,77.71 C48.1@47.195,77.911 ; R117.1@49.215,83.932 R118.1@50.485,83.932 R119.1@51.755,83.932 v6(53.025,83.932)
  Bottom Layer w0.508: Q1.7@72.644,47.244 75.517,47.244 ccw(c75.517,48.181) 76.454,48.181 C9.1@76.454,49.798
Vout_Panels: C88.1 C89.1 C90.1 C91.1 C92.1 C93.1 C94.1 C95.1 D15_XY.1 D15_YZ.1 D15_ZX.1 J9.9 J9.10 R125.1 | length 70
  Bottom Layer w0.381: R125.1@38.153,30.157 42.865,30.157
  Bottom Layer w0.762: C92.1@37.422,8.023 D15_YZ.1@37.422,10.563 ; C88.1@37.422,12.453 D15_YZ.1@37.422,10.563 ; C94.1@37.422,18.291 C95.1@37.422,20.323 37.428,20.329 37.428,22.552 C89.1@37.485,22.609 37.454,22.64 37.454,25.117 D15_ZX.1@37.422,25.149 ; C91.1@37.422,27.039 D15_ZX.1@37.422,25.149 ; C90.1@39.454,37.214 D15_XY.1@39.454,39.754 ; C93.1@39.454,41.644 D15_XY.1@39.454,39.754 ; J9.10@42.865,9.652 ccw(c41.954,9.652) 41.954,10.563 D15_YZ.1@37.422,10.563 ; 42.865,24.238 ccw(c41.954,24.238) 41.954,25.149 D15_ZX.1@37.422,25.149 ; 42.865,39.001 ccw(c42.112,39.001) 42.112,39.754 D15_XY.1@39.454,39.754
  Bottom Layer w1.27: J9.9@42.865,7.112 J9.10@42.865,9.652 42.865,24.238 42.865,30.157 42.865,39.001
WAKE: U18.66 U20.5 | length 65.6
  Top Layer w0.203: v1(24.488,67.54) U18.66@25.53,67.54
  Top Layer w0.254: U20.5@68.465,80.772 70.111,80.772 70.325,80.558 v1(70.394,80.558)
  Signal w0.203: v1(24.488,67.54) 25.073,67.54 26.584,69.051 27.254,69.72 43.066,69.72 44.509,69.72 ccw(c44.509,70.11) 44.899,70.11 44.899,73.677 ccw(c44.495,73.677) 44.495,74.081 42.159,74.081 cw(c42.159,74.396) 41.844,74.396 41.844,79.187 cw(c42.2,79.187) 42.2,79.544 69.379,79.544 v1(70.394,80.558)
WAKE_SR: U15.32 U17.5 | length 37.6
  Top Layer w0.203: U15.32@51.32,74.41 51.9,74.41 52.049,74.559 52.963,74.559 53.25,74.845
  Top Layer w0.254: 53.25,74.845 54.748,74.845 58.058,78.156 82.927,78.156 ccw(c82.927,78.305) 83.076,78.305 83.076,80.432 ccw(c82.736,80.432) 82.736,80.772 U17.5@81.165,80.772
pads on no net: H1.5 H1.6 H1.7 H1.8 H1.9 H1.10 H1.11 H1.12 H1.14 H1.16 H1.19 H1.20 H1.21 H1.23 H1.27 H1.28 H1.29 H1.30 H1.31 H1.32 H1.35 H1.36 H1.37 H1.38 H1.39 H1.40 H1.41 H1.42 H2.1 H2.2 H2.3 H2.4 H2.5 H2.6 H2.7 H2.8 H2.9 H2.10 H2.11 H2.12 H2.13 H2.14 H2.15 H2.16 H2.17 H2.18 H2.19 H2.20 H2.21 H2.22 H2.23 H2.24 H2.27 H2.28 H2.33 H2.34 H2.35 H2.36 H2.37 H2.38 H2.39 H2.40 H2.41 H2.42 H2.48 U2.2 U2.5 U3.2 U3.5 U5.2 U5.5 U8_A.2 U8_B.2 U11.2 U13_M.2 U13_N.2 U15.38 U15.40 U15.41 U15.44 U18.5 U18.6 U18.7 U18.62 U18.67 U18.73 U18.80 U18.83 U18.85 U18.88 U18.91 U18.94 U18.95 U18.97 U27.5 U27.8 U28.5 U28.8
copper on no net: | length 385.2
  Top Layer w0.254: 0,1.2 ccw(c1.2,1.2) 1.2,0 36.61,0 ccw(c36.61,1.2) 37.81,1.2 37.81,1.72 cw(c39.01,1.72) 39.01,2.92 56.88,2.92 cw(c56.88,1.72) 58.08,1.72 58.08,1.2 ccw(c59.28,1.2) 59.28,0 94.69,0 ccw(c94.69,1.2) 95.89,1.2 95.89,32.58 ccw(c94.69,32.58) 94.69,33.78 94.68,33.78 94.16,33.78 cw(c94.16,34.98) 92.96,34.98 92.96,52.9 cw(c94.16,52.9) 94.16,54.1 94.165,54.1 94.69,54.1 ccw(c94.69,55.3) 95.89,55.3 95.89,88.97 ccw(c94.69,88.97) 94.69,90.17 59.28,90.17 ccw(c59.28,88.97) 58.08,88.97 58.08,88.45 cw(c56.88,88.45) 56.88,87.25 39.01,87.25 cw(c39.01,88.45) 37.81,88.45 37.81,88.97 ccw(c36.61,88.97) 36.61,90.17 1.2,90.17 ccw(c1.2,88.97) 0,88.97 0,55.3 ccw(c1.2,55.3) 1.2,54.1 1.72,54.1 cw(c1.72,52.9) 2.92,52.9 2.92,34.98 cw(c1.72,34.98) 1.72,33.78 1.2,33.78 ccw(c1.2,32.58) 0,32.58 0,1.2